# Altium PCB etna-main-pcb.PcbDoc (continued)
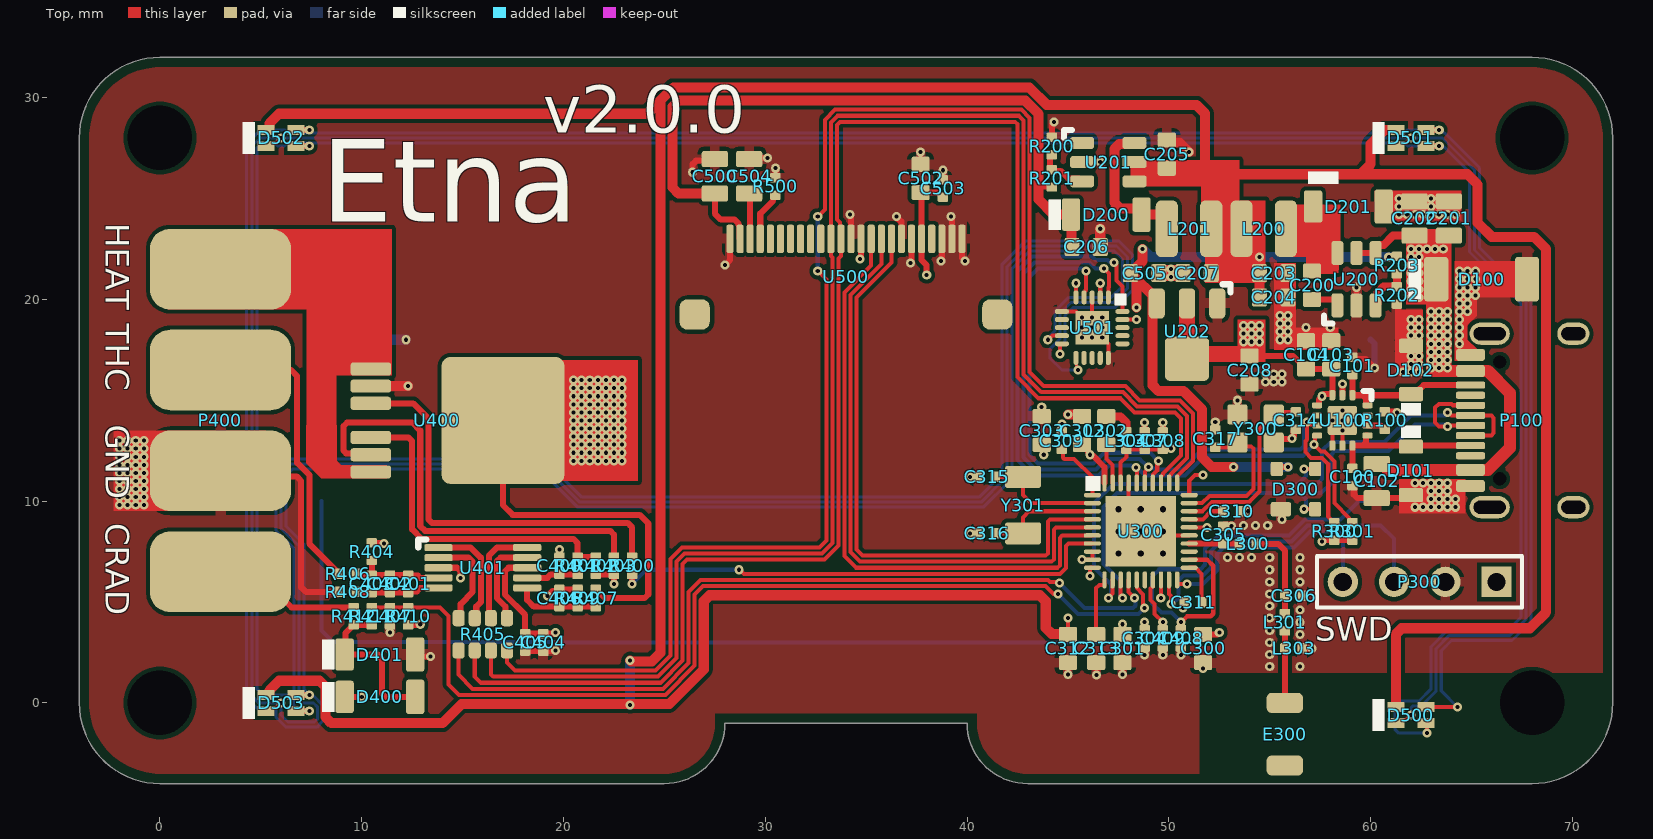
[diagram p0: Top view]
## Footprints (in the part's own frame and the unit in brackets; to place one, negate y for a bottom-side part, rotate by r counter-clockwise, add the part's x,y. Pads: shape width x height; smd on the part's side, far side on the other; paste and mask are expansions set on the pad) (continued)
  body extent -1.25,-1 1.25,1, height 0.6
XTAL_3215 [mm]
  rrect25% 1.1x1.8 smd paste+0 mask+0: 1(-1.4,0) 2(1.4,0)
  body extent -1.61,-0.76 1.61,0.76, height 0.91

## Part data
C100 C101 C102 C103 C104 C200 C201 C202 C203 C204 C205 C206 C207 C208 C300 C301 C302 C303 C304 C305 C306 C307 C308 C309 C310 C311 C312 C313 C314 C315 C316 C317 C400 C401 C402 C403 C404 C405 C406 C407 C408 C409 C500 C502 C503 C504 C505: library part CAPACITOR_NONPOL
  C100 C101: Specification="50V C0G 20%"
  C102: Specification="35V X7R 10%"
  C103 C104 C203 C204 C207 C208 C300 C301 C302 C303 C304 C307 C308 C309 C312 C313 C400 C401 C402 C403 C404 C405 C406 C407 C503: Specification="10V X7R 10%"
  C200 C201 C202: Specification="50V X7R 10%"
  C205 C206 C408 C409 C500 C504: Specification="25V X7R 10%"
  C305 C306: Specification="10V C0G 1%"
  C310 C311: Specification="10V C0G 5%"
  C314 C315 C316 C317: Specification="10V C0G 2%"
  C502 C505: Specification="10V  X7R 10%"
D300: "Ultra low capacitance double rail-to-rail ESD protection diode"
R100 R200 R201 R202 R203 R300 R301 R500: library part RESISTOR, Specification="50V 1% 0.25W"
SW400 SW401: library part SWITCH
U200: library part LMR14006, "LMR14006"
U300: "RF System on a Chip - SoC nRF52833-QIAA QFN 40L 5x5"
U501: library part AW9106
D100: Specification="UNI-DIR 26V 400W"
D101 D102: Specification="5.1V 200MW 1005"
D200 D201 D400 D401: Specification="40V 1.0A 450mV"
D500 D501 D502 D503: Specification=RGB
E300: Specification="-2.1dBi CHIP"
L200: Specification="1A WW 1%"
L201: Specification="2A WW 1%"
L300: Specification="350mA WW 2%"
L301 L303: Specification="350mA WW 1%"
L302: Specification="350mA WW"
L304: Specification="350mA WW 5%"
R400 R401 R402 R403 R404 R405 R406 R407 R408 R409 R410 R411 R412: Specification="50V 1% 0.25W"
Y300: Specification="32MHz 20PPM"
Y301: Specification="32.768kHz 20PPM"

## Free pads (board coordinates)
  rect 0x0 hole 3.2 unplated paste+0 mask+0: ""(0,0) ""(0,28) ""(68,0) ""(68,28)

## Via types
v1: diameter 0.45, hole 0.2, Top to Bottom, tented both sides, 404 vias
v2: diameter 0.61, hole 0.305, Top to Bottom, tented both sides, 9 vias

## Nets (pads, with @x,y where several pads share a name; then routed paths per layer and width w, separated by ;. In a path a pad name is that pad's centre, name@x,y a point inside that pad or via, vN(x,y) a via of type N, cw(c..) or ccw(c..) an arc to the next point about the centre after c; other vN are vias at no path point)
+3V3: C103.1 C104.1 C208.1 C300.1 C301.1 C302.1 C303.1 C304.1 C404.1 C405.1 C502.1 C503.1 D400.2 P300.1 R100.1 R300.1 R301.1 R404.2 R410.1 U100.3 U100.4 U202.2 U300.8 U300.9 U300.18 U300.30 U300.40 U401.8 U500.5 | length 35.2
  Top w0.2: v1(45.7,7.1) U300.9 U300.8 ; v1(49.6,5.2) 49.6,5.769 49.611,5.78 U300.18 ; U300.30 51.011,11.011 51.3,11.3 v1(51.7,11.3)
  Top w0.3: D400.2 v1(10,0.3) ; R404.2 10.515,7.915 11.085,7.915 v1(11.1,7.9) ; R410.1 12.87,3.87 v1(12.9,3.9) ; U401.8 17.276,6.7 17.1,6.524 17.1,5.366 18.1,4.366 C405.1 C404.1 19.53,3.43 v1(19.6,3.5) ; v1(38,21.2) 38,21.7 37.75,21.95 U500.5 37.75,25.25 C502.1 38.545,25.3 38.775,25.07 C503.1 ; C303.1 43.8,12.7 v1(43.8,12.3) ; C302.1 45.775,12.8 46,12.575 46,12.441 46.1,12.341 v1(46.1,12.3) 46.129,12.271 46.229,12.271 46.811,11.689 U300.40 ; C301.1 v1(47.7,3.9) ; C304.1 v1(48.8,4) ; U202.2@50.9,17.05 51.05,17.2 C208.1 56.15,17.2 56.5,16.85 56.5,16.775 56.725,16.55 C104.1 C103.1 58.1,16.5 U100.3@58.1,15.3 ; C300.1@51.511,3.589 C300.1 52.4,3.4 v1(52.5,3.5) ; 52.4,17.3 53.4,17.3 ; U100.4 57.446,14.75 57.446,15.046 v1(57.6,15.2) 57.7,15.3 U100.3@58.1,15.3 ; v1(57.6,8) 57.67,8.07 R300.1 R301.1 ; U100.3 U100.3@58.1,15.3 ; R100.1 61.27,14.43 v1(61.3,14.4)
  other v1: 53.7,17.9 54.1,17.9 54.5,17.9 53.7,18.3 54.1,18.3 54.5,18.3 53.7,18.7 54.1,18.7 54.5,18.7
+5V0: C203.1 C204.1 C205.1 C207.1 C312.1 C505.1 D300.4 D500.4 D501.4 D502.4 D503.4 L200.2 L201.1 R203.1 U201.4 U201.5 U202.3 U300.10 U501.2 U501.5 U501.19 | length 225.8
  Top w0.2: C312.1 v1(45,4.2) ; U501.5 v1(45.4,20.8) ; v1(46.1,6.3) 46.1,6.691 46.109,6.7 U300.10 ; U501.2 v1(46.6,20.8) ; U501.19 v1(48.4,19) ; v1(60.9,22.1) 61.27,22.1 R203.1
  Top w0.3: D300.4 55.446,11.696 55.896,11.696 v1(55.9,11.7)
  Top w0.5: D503.4 5.425,0.4 5.425,0.625 5.9,1.1 7.907,1.1 8.2,0.807 8.2,-0.707 8.493,-1 14,-1 14.95,-0.05 25.242,-0.05 26.95,1.658 26.95,5.045 27.243,5.338 43.607,5.338 43.9,5.045 43.9,3.717 44.193,3.424 44.976,3.424 C312.1 ; D502.4 5.425,28.4 5.425,28.725 5.9,29.2 24.144,29.2 25.444,30.5 43.085,30.5 43.942,29.642 51.358,29.642 51.8,29.2 51.8,26.2 ; v1(23.3,2.1) 23.35,2.05 24.372,2.05 24.8,2.478 24.8,29.856 ; C505.1@48.225,21.1 48.3,21.1 49.2,20.2 49.2,15.743 49.493,15.45 50.735,15.45 51.65,14.535 51.65,12.163 52.113,11.7 v1(53.2,11.7) ; C505.1@48.225,21.175 C505.1 48.1,21.375 48.225,21.5 48.3,21.5 48.7,21.9 v1(48.7,22.5) ; v1(48.4,19.6) 48.4,20.807 ; 52.9,26.2 59.5,26.2 ; C204.1 C203.1 ; D500.4 61.25,3.407 61.543,3.7 67.9,3.7 68.7,4.5 68.7,22.5 68.1,23.1 66,23.1 65.3,23.8 65.3,25.7 64.8,26.2 59.5,26.2 ; D501.4 60.7,28.4 60,27.7 60,26.7 59.5,26.2
  Power w0.2: v1(45,4.2) 45,6 45.3,6.3 v1(46.1,6.3)
  Power w0.5: v1(45.4,20.8) v1(46.6,20.8) 48.107,20.8 48.4,20.507 v1(48.4,19.6) v1(48.4,19)
  Bottom w0.5: v1(23.3,-0.1) v1(23.3,2.1) ; v1(48.7,22.5) 49.1,22.1 v1(54.5,22.1) v1(60.9,22.1) ; v1(53.2,11.7) v1(55.9,11.7)
+12V: C206.1 C500.1 D200.2 R201.2 U500.23 | length 36.4
  Top w0.3: C500.1 27.5,24.25 27.8,23.95 28.477,23.95 28.675,23.752 28.675,23.687 28.725,23.637 28.725,23.025 U500.23 ; 43.55,25.6 44.17,25.6 R201.2
  Top w0.5: C500.1 25.693,25.25 25.4,25.543 25.4,29.557 25.693,29.85 42.886,29.85 43.55,29.186 43.55,25.6 43.55,24.95 44.3,24.2 44.95,24.2 D200.2 45.175,24.175 45.175,22.625 C206.1
ADS1118_CS: R405.1 U300.14 | length 41.4
  Top w0.2: R405.1 14.8,1.4 15.5,0.7 24.931,0.7 26.2,1.969 26.2,5.506 26.782,6.088 44.012,6.088 44.1,6 44.343,6 44.35,5.993 44.527,5.993 v1(44.575,5.945) ; U300.14 48.011,5.49 v1(48.3,5.2)
  Bottom w0.2: v1(44.575,5.945) 45.82,4.7 48.223,4.7 48.34,4.817 48.34,5.16 v1(48.3,5.2)
ADS1118_CS_R: R405.8 U401.2 | length 4.9
  Top w0.3: U401.2 15.3,7.2 15.5,7 15.5,5.5 14.9,4.9 14.9,4.3 R405.8
AW9_INT: U300.34 U501.4 | length 21.3
  Top w0.2: U501.4 45.8,20.339 45.875,20.414 45.875,20.46 45.9,20.485 v1(45.9,21.4) ; U300.34 49.215,10.904 49.215,11.314 49.425,11.524 49.425,11.878 49.479,11.932 v1(49.479,12)
  Bottom w0.2: v1(45.9,21.4) 45.832,21.4 45.707,21.525 43.517,21.525 43.1,21.108 43.1,12.3 43.525,11.875 46.276,11.875 46.801,12.4 49.058,12.4 49.458,12 v1(49.479,12)
BUT_0: C408.1 SW400.1 U300.22 | length 21.8
  Top w0.2: C408.1 50.648,3.678 50.648,4.048 50.895,4.295
  Top w0.21: 50.895,4.295 52.077,4.295 52.2,4.418 52.2,6.8 51.9,7.1 U300.22
  Bottom w0.2: v1(50.6,4) 50.125,4.475 49.626,4.475 49.175,4.926 49.175,6.275 49.525,6.625 51.576,6.625 51.8,6.849 51.8,7.649 52.451,8.3 53.2,8.3 55.7,8.3 55.951,8.3 56.751,9.1 58.519,9.1 59.419,10 SW400.1
BUT_1: C409.1 SW401.1 U300.17 | length 51.8
  Top w0.2: U300.17 49.211,5.78 49.1,5.669 49.1,5.099 49.299,4.899 49.299,4.401 v1(49.7,4)
  Top w0.3: C409.1 v1(49.7,4)
  Bottom w0.2: SW401.1 8,3.6 8.575,3.025 19.776,3.025 19.801,3 49.183,3 49.7,3.517 v1(49.7,4)
CART_DETECT_IO: C407.1 R410.2 R411.2 U300.15 | length 48.6
  Top w0.2: R411.2 C407.1 R410.2 13.87,4.73 14.3,4.3 14.3,0.917 14.817,0.4 15.9,0.4 25.056,0.4 26.5,1.844 26.5,5.381 26.906,5.788 43.888,5.788 44.276,5.4 v1(44.5,5.4) ; U300.15 48.415,6.097 48.415,5.686 48.725,5.376 48.725,4.843 48.8,4.768 v1(48.8,4.7)
  Bottom w0.2: v1(44.5,5.4) 45.5,4.4 48.5,4.4 v1(48.8,4.7)
CART_HEAT: P400.1 U400.1 U400.7
CART_THC: P400.2 R406.1 | length 14.6
  Top w0.3: P400.2 6.5,16.5 6.8,16.2 6.8,11.9 7.4,11.3 7.4,7.895 8.785,6.51 8.87,6.425 R406.1
CRADLE_DETECT: P400.4 R412.1 | length 7.3
  Top w0.3: P400.4 4.756,6.5 6.526,4.73 R412.1
DBG_SWCLK: P300.4 U300.20 | length 12.3
  Top w0.2: U300.20 50.411,5.909 50.42,5.9 v1(50.9,5.9)
  Bottom w0.2: v1(50.9,5.9) 51.7,5.9 52.4,6.6 52.4,7.4 52.7,7.7 56.2,7.7 57,8.5 58.4,8.5 58.62,8.28 P300.4
DBG_SWDIO: P300.3 U300.19 | length 17.3
  Top w0.2: U300.19 50.011,5.78 50,5.769 50,5.401 50.1,5.301 v1(50.1,4.9)
  Bottom w0.2: v1(50.1,4.9) 50.168,4.9 50.475,5.207 50.475,6.076 50.724,6.325 51.701,6.325 52.1,6.724 52.1,7.524 52.576,8 56.076,8 56.876,8.8 60.5,8.8 61.16,8.14 P300.3
DRV_CURRENT: C400.1 R401.2 U401.7 | length 2.6
  Top w0.3: U401.7 19.2,6.2 19.37,6.37 C400.1 R401.2
DRV_PWM: R400.2 U300.7 | length 24.9
  Top w0.2: v1(28.7,6.6) 28.742,6.6 28.942,6.4 44.607,6.4 44.9,6.693 44.9,7.783 45.017,7.9 U300.7
  Top w0.3: v1(23.4,5.9) R400.2
  Bottom w0.2: v1(23.4,5.9) 24.1,6.6 v1(28.7,6.6)
GND: C100.2 C101.2 C102.2 C103.2 C104.2 C201.2 C202.2 C203.2 C204.2 C205.2 C206.2 C207.2 C208.2 C300.2 C301.2 C302.2 C303.2 C304.2 C305.2 C306.2 C307.2 C308.2 C309.2 C310.2 C311.2 C312.2 C313.2 C314.1 C315.1 C316.1 C317.1 C400.2 C404.2 C405.2 C406.2 C407.2 C408.2 C409.2 C500.2 C502.2 C503.2 C504.2 C505.2 D100.1 D101.1 D102.1 D201.1 D300.1 D401.1 L303.2 P100.A1 P100.A12 P300.2 P400.3 R200.2 R202.2 R402.1 R403.1 R408.1 R409.1 R500.2 SW400.2 SW401.2 U100.8 U100.9 U100.15 U200.2 U201.2 U202.1 U300.25 U300.37 U300.41 U400.2 U401.3 U500.1 U500.2 U500.3 U500.6 U500.7 U500.11 U500.12 U500.24 U501.3 U501.6 U501.15 U501.21 Y300.2 Y300.4 | length 76.2
  Top w0.2: U501.6 45.4,19.4 v1(45.7,19.1) v1(46.2,18.6) U501.3 v1(46.2,19.1) ; v1(46.7,18.6) v1(46.7,18.1) 47,17.8 U501.15 ; U300.37 48.011,9.1 v2(48.611,8.5) ; v2(49.711,8.5) 49.911,8.3 U300.25 ; U100.8 58.1,13.5 v1(58.6,14) ; U100.9 v1(58.6,13.5)
  Top w0.3: P400.3 3.274,11.226 6.774,11.226 7,11 7,5.727 7.227,5.5 R408.1 R408.1@8.819,5.551 ; v1(11.4,3.5) C407.2 ; D401.1 12.75,2.3 v1(13.4,2.3) ; U401.3 14.724,6.7 14.9,6.524 v1(14.9,6.2) ; C405.2 C404.2 19.57,2.57 v1(19.6,2.6) ; v1(19.2,5.3) 19.445,5.545 19.715,5.545 C406.2 R409.1 ; C400.2 v1(19.8,7.6) ; R402.1 R403.1 v1(22.5,5.9) ; v1(26.4,26.3) 26.4,26.7 26.576,26.876 C500.2@27.426,26.876 ; v1(28,21.7) 28.25,21.95 U500.24 ; C504.2 29.25,27 v1(30.1,27) ; R500.2 v1(30.5,26.5) ; v1(34.2,24.2) 34.2,24.1 34.25,24.05 U500.12 ; v1(34.7,22) 34.75,22.05 U500.11 ; v1(36.5,24.1) 36.745,23.855 36.745,23.005 U500.7 ; v1(37.2,21.8) 37.25,21.85 U500.6 ; C502.2@37.7,26.83 v1(37.7,27.3) ; v1(38.7,21.9) 38.7,21.941 38.75,21.991 U500.3@38.75,23.07 ; C503.2 v1(38.8,26.4) ; v1(39.2,24.1) 39.2,24 39.25,23.95 U500.2 ; U500.1 39.75,22.05 v1(39.9,21.9) ; v1(40.145,8.4) C316.1@40.615,8.4 ; v1(40.145,11.2) C315.1@40.615,11.2 ; C303.2 v1(43.7,14.67) ; R200.2 44.2,28.7 v1(44.3,28.8) ; C309.2@44.7,13.36 v1(44.7,13.83) ; v1(45,1.4) C312.2@45,2.07 ; U201.2 v1(46.6,26.8) ; v1(46.406,1.381) C313.2@46.406,2.051 ; v1(47.7,1.4) C301.2@47.7,2.07 ; v1(48.8,2.37) C304.2@48.8,2.84 ; C307.2 v1(48.8,13.9) ; v1(49.7,2.37) C409.2@49.7,2.84 ; C308.2 v1(49.7,13.9) ; v1(50.6,2.37) C408.2@50.6,2.84 ; v1(50.7,4.7) 50.7,4.93 C311.2 ; v1(51.7,1.7) C300.2@51.7,2.07 ; C317.1@52.3,13.46 v1(52.3,13.93) ; C305.2@52.63,8.76 v1(53.1,8.76) ; Y300.2 v1(53.4,15) ; C310.2@53.46,9.5 v1(53.93,9.5) ; Y300.4 55.371,13.071 56.071,13.071 v1(56.1,13.1) 56.1,13.141 56.19,13.231 56.19,13.485 56.275,13.57 C314.1 ; C306.2@56.6,5.31 C306.2 ; L303.2 v1(57.1,2.7) ; C104.2 v1(56.8,18.6) ; v1(58,18.6) 58.001,17.999 C103.2 ; C100.2 59.163,10.707 59.163,10.337 59.35,10.15 C102.2 61.85,10.15 D101.1 ; C101.2 59.185,17.045 59.755,17.045 v1(60.2,16.6) ; U200.2 v1(59.3,20.6) ; R202.2 61.35,19.72 61.35,19.35 61.4,19.3 61.6,19.3
  Top w0.4: D300.1 55.6,9.55 v1(55.6,9.1)
  Top w0.5: U400.2 v1(12.3,15.7) ; v1(45,14.3) 45.6,14.3 C302.2 ; C206.2 v1(46.6,23.5) ; C205.2 50.025,27.775 50.525,27.775 v1(51,27.3)
  Bottom w0.3: SW400.2 60.2,17.8 v1(60.2,16.6)
  Bottom w0.5: SW401.2 v1(12.2,18)
  other v1: 55,1.8 56.5,1.8 55,2.4 55,3 56.5,3.4 55,3.6 56.5,4 55,4.2 56.5,4.6 55,4.8 55,5.4 55,6 56.5,6 55,6.6 56.5,6.6 52.9,7.2 53.5,7.2 54.1,7.2 55,7.2 56.5,7.2 53.7,8.8 54.3,8.8 54.9,8.8 62.2,9.7 62.6,9.7 63,9.7 63.4,9.7 63.8,9.7 64.2,9.7 -2,9.8 -1.6,9.8 -1.2,9.8 -0.8,9.8 63,10.1 63.4,10.1 63.8,10.1 64.2,10.1 -2,10.2 -1.6,10.2 -1.2,10.2 -0.8,10.2 63,10.5 63.4,10.5 63.8,10.5 -2,10.6 -1.6,10.6 -1.2,10.6 -0.8,10.6 62.2,10.9 62.6,10.9 63,10.9 63.4,10.9 63.8,10.9 -2,11 -1.6,11 -1.2,11 -0.8,11 -2,11.4 -1.6,11.4 -1.2,11.4 -0.8,11.4 -2,11.8 -1.6,11.8 -1.2,11.8 -0.8,11.8 -2,12.2 -1.6,12.2 -1.2,12.2 -0.8,12.2 -2,12.6 -1.6,12.6 -1.2,12.6 -0.8,12.6 -2,13 -1.6,13 -1.2,13 -0.8,13 58.1,14 59.1,14 58.6,14.5 54.8,15.9 55.2,15.9 55.6,15.9 54.8,16.3 55.2,16.3 55.6,16.3 61.6,16.4 62,16.4 62.4,16.4 62,16.8 62.4,16.8 62,17.2 62.4,17.2 64.4,17.8 55.5,18 55.9,18 45.7,18.1 46.2,18.1 62,18.2 62.4,18.2 64.4,18.2 55.5,18.4 55.9,18.4 45.7,18.6 62,18.6 62.4,18.6 64.4,18.6 55.5,18.8 55.9,18.8 62,19 62.4,19 64.4,19 46.7,19.1 55.5,19.2 55.9,19.2 64.4,19.4 64.8,19.4 64.4,19.8 64.8,19.8 64.4,20.2 64.8,20.2 65.2,20.2 64.4,20.6 64.8,20.6 65.2,20.6 64.4,21 64.8,21 65.2,21 50.1,21.1 64.4,21.4 64.8,21.4 65.2,21.4 50.1,21.5 61.4,24.2 61.8,24.2 62.2,24.2 62.6,24.2 63,24.2 63.4,24.2 63.8,24.2 64.2,24.2 61.4,24.6 63,24.6 61.4,25 63,25
  other v2: 47.511,7.4 48.611,7.4 49.711,7.4 47.511,8.5 47.511,9.6 48.611,9.6 49.711,9.6
I2C0_SCL: R300.2 U100.6 U300.35 U501.1 | length 38.6
  Top w0.2: v1(46.775,21.525) 46.9,21.4 46.908,21.4 47.025,21.283 47.025,20.624 47,20.599 U501.1 ; U300.35 48.811,11.458 49,11.647 v1(49,11.7) ; U100.6 57.31,13.79 57.01,13.79 56.9,13.9 56.864,13.9 v1(56.842,13.922) 56.842,13.044 56.775,12.976 56.775,12.425 57.05,12.15 57.589,12.15 57.9,11.839 57.9,9.23 58.04,9.09 58.04,9.065 58.175,8.93 R300.2
  Bottom w0.2: v1(46.775,21.525) 46.376,21.525 46.076,21.825 43.349,21.825 42.8,21.276 42.8,12.176 43.401,11.575 46.4,11.575 46.925,12.1 48.558,12.1 48.9,11.758 v1@48.9,11.7 ; v1(49,11.7) 49.048,11.652 49.226,11.652 49.303,11.575 50.675,11.575 51.65,12.55 56.526,12.55 56.7,12.724 56.7,13.712 56.842,13.854 v1(56.842,13.922)
I2C0_SDA: R301.2 U100.7 U300.36 U501.20 | length 39.3
  Top w0.2: v1(47.275,21.825) 47.4,21.7 47.4,20.947 47.7,20.647 U501.20 ; v1(48.382,11.675) 48.411,11.646 U300.36 ; U100.7 57.298,13.25 57.248,13.2 57.248,12.848 v1(57.2,12.8) 57.55,12.45 57.713,12.45 58.2,11.963 58.2,9.9 58.94,9.16 58.94,9.065 59.075,8.93 R301.2
  Bottom w0.2: v1(47.275,21.825) 47.227,21.873 47.028,21.873 46.951,21.95 46.375,21.95 46.2,22.125 43.225,22.125 42.5,21.4 42.5,12.051 43.276,11.275 46.525,11.275 47.025,11.775 48.125,11.775 48.2,11.7 48.357,11.7 v1(48.382,11.675) 48.424,11.675 48.824,11.275 50.799,11.275 51.774,12.25 56.65,12.25 v1(57.2,12.8)
NetC200_1: C200.1 D201.2 L200.1 U200.6 | length 3.9
  Top w0.2: L200.1 56.05,23.5 D201.2
  Top w0.3: C200.1 58.174,21.4 58.288,21.514 58.288,22.238 U200.6
NetC200_2: C200.2 U200.1 | length 1.5
  Top w0.3: C200.2 58.2,20 58.35,19.85 U200.1
NetC305_1: C305.1 L300.1 U300.24 | length 2.5
  Top w0.3: U300.24 C305.1 53.464,7.9 L300.1
NetC306_1: C306.1 L300.2 L301.1 | length 4.7
  Top w0.3: L300.2 55.423,7.887 55.75,7.56 C306.1 L301.1
NetC401_1: C401.1 C402.1 C403.1 R404.1 R406.2 U401.4 | length 4.9
  Top w0.3: R406.2@9.703,6.427 R406.2 9.8,6.33 C403.1 ; R404.1 C403.1 ; U401.4 12.9,6.2 12.783,6.317 12.313,6.317 C401.1 C402.1 C403.1
NetC401_2: C401.2 C402.2 C403.2 R408.2 U401.5 | length 4.2
  Top w0.3: R408.2 9.76,5.47 C403.2 C402.2 C401.2 12.363,5.533 12.733,5.533 12.9,5.7 U401.5
NetC504_1: C504.1 U500.22 | length 2.3
  Top w0.3: C504.1 29.25,25.2 U500.22
NetD200_1: D200.1 L201.2 U201.6 | length 7.8
  Top w0.5: U201.6 48.6,27.75 48.55,27.7 47.543,27.7 47.3,27.457 47.3,24.793 47.593,24.5 48.45,24.5 48.65,24.3 D200.1 49.602,24.2 49.9,23.902 L201.2
NetD400_1: D400.1 D401.2 R411.1 R412.2 | length 8
  Top w0.3: R411.1 R412.2 9.575,3.87 9.49,3.785 9.49,3.76 9.204,3.474 9.204,2.454 D401.2 10.8,2.4 11,2.2 11,0.476 11.176,0.3 D400.1
NetE300_1: E300.1 L301.2 L303.1 | length 3.6
  Top w0.3: E300.1 L303.1 L301.2
NetL302_1: L302.1 L304.2 | length 1.6
  Top w0.4: L302.1 47.6,14.2 47.9,13.9 L304.2
NetR100_2: R100.2 U100.12 U100.13 | length 1.4
  Top w0.3: U100.13 U100.12 60.495,13.75 60.675,13.57 R100.2
NetR200_1: R200.1 R201.1 U201.3 | length 2.5
  Top w0.3: R200.1@44.1,27.17 44.1,26.43 R201.1@44.125,26.43 ; R201.1 44.263,26.367 44.633,26.367 45.001,25.999 45.551,25.999 U201.3
NetR202_1: R202.1 R203.2 U200.3 | length 2.4
  Top w0.4: U200.3 60.35,19.8 60.35,20.35 60.63,20.63 R202.1 R203.2
NetR400_1: R400.1 U400.3 | length 19.9
  Top w0.3: U400.3 12.55,14.85 13.3,14.1 13.3,9.101 13.476,8.925 23.175,8.925 23.299,8.801 23.4,8.7 R400.1
NetR401_1: R401.1 R402.2 U400.5 | length 16.6
  Top w0.3: U400.5 12.324,13.15 12.5,12.974 12.5,8.6 12.975,8.125 20.499,8.125 20.7,7.924 R401.1 R402.2
NetR403_2: R403.2 U400.6 | length 22.3
  Top w0.3: U400.6 10.382,12.368 9.232,12.368 9.1,12.5 9.1,13.724 9.276,13.9 12.5,13.9 12.9,13.5 12.9,8.766 13.141,8.525 22.324,8.525 22.5,8.349 R403.2
NetR500_1: R500.1 U500.21 | length 2.5
  Top w0.3: U500.21 29.75,24.25 30.39,24.89 30.39,25.085 30.475,25.17 R500.1
NRF_DCC: L302.2 U300.39 | length 2
  Top w0.2: L302.2 46.9,12.1 47.211,11.789 U300.39
NRF_DEC1: C309.1 U300.1 | length 3.2
  Top w0.2: C309.1 44.765,12.505 44.765,12.152 44.817,12.1 45.3,12.1 46.211,11.189 U300.1
NRF_DEC3: C310.1 U300.27 | length 1.8
  Top w0.2: U300.27 51.7,9.1 52.1,9.5 C310.1
NRF_DEC4_6: C307.1 C308.1 L304.1 U300.26 U300.38 | length 10.1
  Top w0.2: U300.38 47.611,11.911 47.9,12.2 L304.1 C307.1 C308.1 49.73,12.6 v1(50.1,12.6) ; U300.26 v1(51.9,8.7)
  Power w0.2: v1(50.1,12.6) 50.5,12.2 50.5,9.1 50.9,8.7 v1(51.9,8.7)
NRF_DEC5: C311.1 U300.21 | length 2.1
  Top w0.2: U300.21 51.32,6.7 51.63,6.391 C311.1
NRF_DECUSB: C313.1 U300.11 | length 3
  Top w0.2: C313.1 46.4,5.69 46.563,5.853 46.802,5.853 46.811,5.862 U300.11
NRF_XTAL_HF_N: C317.2 U300.29 Y300.3 | length 7.5
  Top w0.2: U300.29 51.652,9.9 52.011,10.26 53.86,10.26 54.2,10.6 54.2,12.6 54.083,12.717 53.583,12.717 53.491,12.809 53.353,12.67 C317.2
NRF_XTAL_HF_P: C314.2 U300.28 Y300.1 | length 9.2
  Top w0.2: U300.28 51.676,9.5 52.136,9.96 53.984,9.96 54.5,10.476 54.5,13.6 Y300.1 55.33,14.43 C314.2
NRF_XTAL_LF_N: C316.2 U300.3 Y301.2 | length 5.7
  Top w0.2: C316.2 Y301.2 42.775,9.2 43.075,9.5 U300.3
NRF_XTAL_LF_P: C315.2 U300.2 Y301.1 | length 5.9
  Top w0.2: C315.2 Y301.1 42.775,10.3 43.175,9.9 U300.2
OLED_CS: U300.4 U500.8 | length 29.6
  Top w0.2: U500.8 36.25,21.826 34.525,20.101 34.525,7.599 34.812,7.312 37.588,7.312 37.6,7.3 43.883,7.3 44,7.417 44,8.983 44.117,9.1 U300.4
OLED_DC: U300.6 U500.10 | length 30.3
  Top w0.2: U500.10 35.25,21.674 33.925,20.349 33.925,7.275 34.5,6.7 44.483,6.7 44.6,6.817 44.6,8.183 44.717,8.3 U300.6
OLED_RST: U300.5 U500.9 | length 29.9
  Top w0.2: U500.9 35.75,21.75 34.225,20.225 34.225,7.475 34.7,7 44.183,7 44.3,7.117 44.3,8.583 44.417,8.7 U300.5
RGB_BLU: D500.3 D501.3 D502.3 D503.3 U501.11 | length 206.9
  Top w0.15: U501.11 45.419,17.081 45.419,16.662 45.5,16.581 v1(45.5,16.5)
  Top w0.2: D503.3 5.4,-0.25 5.75,-0.25 v1(6,0) ; D502.3 5.4,27.75 5.75,27.75 v1(6,28) ; D500.3 61.4,-0.85 61.75,-0.85 v1(62,-0.6) ; D501.3 61.4,27.75 61.75,27.75 v1(62,28)
  Bottom w0.15: v1(45.5,16.5) 44.7,16.5 44.1,17.1 44.1,17.534 44.6,18.034 44.6,19.3 45.15,19.85 47.25,19.85 47.95,20.55 47.95,22.104 47.404,22.65 43.008,22.65 41.975,21.617 41.975,11.221 41.8,11.046 40.704,9.95 20.804,9.95 18.903,11.851 6.493,11.851 6,11.358 6,8.654 6.35,8.304 6.9,7.754 6.9,0.088 6.988,0 7.612,0 7.8,-0.188 7.8,-0.812 7.662,-0.95 6.35,-0.95 6,-0.6 v1(6,0) 4.9,0 4.55,0.35 4.55,27.596 4.954,28 v1(6,28) v1(62,28) 63.3,28 63.566,28 65.15,26.416 65.15,22.45 67.7,19.9 67.7,4.146 66.904,3.35 63.904,3.35 63.25,2.696 63.25,0.596 62.504,-0.15 62.088,-0.15 62,-0.238 v1(62,-0.6)
RGB_GRN: D500.2 D501.2 D502.2 D503.2 U501.10 | length 204.4
  Top w0.15: D502.2 v1(7.4,27.6)
  Top w0.2: v1(44.6,17.3) 44.6,17.777 44.623,17.8 U501.10 ; D500.2 62.8,-1.05 v1(62.8,-1.5)
  Top w0.3: D503.2 v1(7.4,-0.4) ; D502.2 v1(7.4,27.6) ; D501.2 v1(63.4,27.6)
  Bottom w0.15: v1(7.4,-0.4) 6.8,-0.4 6.65,-0.25 6.65,0.55 ; v1(44.6,17.3) 44.6,17.681 44.85,17.931 44.85,19.196 45.254,19.6 47.354,19.6 48.2,20.446 48.2,22.207 48.004,22.404 47.507,22.9 42.904,22.9 41.725,21.721 41.725,11.325 40.6,10.2 20.907,10.2 19.006,12.101 6.389,12.101 5.75,11.462 5.75,8.55 6.65,7.65 6.65,0.55 ; v1(62.8,-1.5) 61.4,-1.5 61.2,-1.3 61.2,-0.1 61.4,0.1 62.4,0.1 63,0.7 63,2.8 63.8,3.6 66.8,3.6 67.45,4.25 67.45,19.796 64.9,22.346 64.9,26.3 63.657,27.543 63.457,27.543 v1(63.4,27.6) 61.834,27.6 61.684,27.75 6.316,27.75 6.166,27.6 5.834,27.6 5.684,27.75 5.057,27.75 4.8,27.493 4.8,0.7 5.1,0.4 6.5,0.4 6.65,0.55
RGB_RED: D500.1 D501.1 D502.1 D503.1 U501.9 | length 203.9
  Top w0.2: v1(44,18) 44.042,18 44.242,18.2 U501.9 ; D500.1 v1(64.3,-0.2)
  Top w0.3: D503.1 v1(7.4,0.4) ; D502.1 v1(7.4,28.4) ; D501.1 v1(63.4,28.4)
  Bottom w0.15: v1(7.4,0.4) 7.15,0.65 7.15,7.857 6.25,8.757 6.25,11.255 6.596,11.601 18.799,11.601 20.7,9.7 40.807,9.7 42.1,10.993 42.225,11.118 42.225,21.514 43.111,22.4 47.3,22.4 47.7,22 47.7,20.654 47.146,20.1 45.046,20.1 44.35,19.404 44.35,18.431 44,18.081 v1(44,18) ; 7.623,0.343 8.05,-0.084 8.05,-0.916 7.9,-1.066 7.9,-1.093 7.793,-1.2 6.246,-1.2 5.75,-0.704 5.75,-0.338 5.662,-0.25 4.796,-0.25 4.3,0.246 4.3,27.7 5,28.4 6.166,28.4 6.316,28.25 61.684,28.25 61.834,28.4 63.481,28.4 63.631,28.25 63.669,28.25 65.4,26.519 65.4,22.554 67.95,20.004 67.95,4.043 67.004,3.096 64.004,3.096 63.5,2.593 63.5,0.6 v1(64.3,-0.2)
SPI0_MISO: R405.4 U300.31 | length 79.1
  Top w0.2: R405.4 17.2,2 17.6,1.6 24.559,1.6 25.3,2.341 25.3,7.124 25.876,7.7 32.676,7.7 33.025,8.049 33.025,20.975 v1(32.6,21.4) ; v1(32.6,24.1) 32.95,24.45 32.95,28.899 33.451,29.4 42.7,29.4 43.1,29 43.1,16.4 43.8,15.7 47.849,15.7 48.549,15 50.549,15 51.2,14.349 51.2,14.1 51.2,11.999 50.411,11.21 U300.31
  Bottom w0.2: v1(32.6,21.4) v1(32.6,24.1)
SPI0_MISO_R: R405.5 U401.9 | length 4.6
  Top w0.3: R405.5 17.126,4.274 17.126,4.774 16.7,5.2 16.7,7.024 16.876,7.2 U401.9
SPI0_MOSI: R405.3 U300.32 U500.14 | length 79.6
  Top w0.2: R405.3 16.4,1.417 16.517,1.3 24.683,1.3 25.6,2.217 25.6,7 26,7.4 32.8,7.4 33.325,7.925 33.325,22.075 33.25,22.15 33.25,28.774 33.576,29.1 42.576,29.1 42.8,28.876 42.8,16.276 43.676,15.4 47.724,15.4 48.424,14.7 50.424,14.7 50.9,14.224 50.9,12.143 50.282,11.525 50.101,11.344 50.101,11.311 50.011,11.221 U300.32
SPI0_MOSI_R: R405.6 U401.10 | length 5.2
  Top w0.3: R405.6 16.3,4.3 16.3,7.3 16.7,7.7 U401.10
SPI0_SCK: R405.2 U300.33 U500.13 | length 80.2
  Top w0.2: R405.2 15.6,1.3 15.9,1 24.807,1 25.9,2.093 25.9,6.876 26.124,7.1 32.924,7.1 33.625,7.801 33.625,22.025 33.75,22.15 U500.13 33.701,23.049 33.701,23.799 33.55,23.95 33.55,28.65 33.7,28.8 42.383,28.8 42.5,28.683 42.5,16.151 43.551,15.1 47.6,15.1 48.3,14.4 50.3,14.4 50.6,14.1 50.6,12.267 49.701,11.368 49.701,11.311 49.611,11.221 U300.33
SPI0_SCK_R: R405.7 U401.1 | length 5.4
  Top w0.3: U401.1 15.4,7.7 15.9,7.2 15.9,5 15.674,4.774 15.674,4.274 R405.7
USB_DATA_N: D300.3 P100.A7 P100.B7 U300.12 | length 31.4
  Top w0.2: v1(47,5.2) 47,5.222 47.211,5.433 U300.12 ; v1(56.7,11.6) D300.3 ; 64.018,14.25 P100.A7 65.983,14.25 66.1,14.133 66.1,13.367 65.983,13.25 P100.B7
  Bottom w0.2: 47.123,5.391 47.123,5.878 46.3,6.701 46.3,9.9 47.254,10.854 56.4,10.854 ; v1@56.8,11.6 56.8,11.254 56.4,10.854 ; v1@63.7,14.254 62.012,14.254 60.691,12.933 58.033,12.933 57.6,12.5 57.6,11.1 57.354,10.854 56.4,10.854
  other v1: 63.8,14.4
USB_DATA_P: D300.2 P100.A6 P100.B6 U300.13 | length 31.1
  Top w0.2: U300.13 47.611,5.357 47.7,5.268 v1(47.7,5.2) ; v1(56.7,9.6) D300.2 ; P100.A6 63.918,13.75 63.868,13.7 v1(63.8,13.7) 63.4,13.7 63.2,13.9 63.2,14.633 63.392,14.825 64.008,14.825 64.08,14.753 64.947,14.753 P100.B6
  Bottom w0.2: 47.577,5.391 47.577,6.066 46.754,6.889 46.754,9.712 47.442,10.4 56.5,10.4 ; v1@56.8,9.6 56.8,10.1 56.5,10.4 ; v1(63.8,13.7) 63.7,13.8 62.2,13.8 60.879,12.479 58.221,12.479 58.054,12.312 58.054,10.912 57.542,10.4 56.5,10.4
USB_PD_CC1: C100.1 D101.2 P100.A5 U100.10 U100.11 | length 7.7
  Top w0.3: C100.1 U100.10 59.6,12.75 ; U100.11 59.779,13.25 59.779,12.929 59.6,12.75 ; P100.A5 62.05,12.75 D101.2 61.95,12.75 59.6,12.75
USB_PD_CC2: C101.1 D102.2 P100.B5 U100.1 U100.14 | length 7.8
  Top w0.3: C101.1 U100.1 59.6,15.25 ; U100.14 59.779,14.75 59.779,15.071 59.6,15.25 ; P100.B5 62.626,15.75 62.45,15.574 62.45,15.5 62.25,15.3 D102.2 61.95,15.25 59.6,15.25
VUSB_BUS: C102.1 C201.1 C202.1 D100.2 P100.A4 P100.A9 R407.1 U100.2 U200.4 U200.5 U400.4 | length 44.8
  Top w0.3: U400.4@19.1,11.9 U400.4 17,9.8 17.475,9.325 23.775,9.325 24.2,8.9 24.2,5.376 24.024,5.2 22.03,5.2 21.71,5.52 21.71,5.545 21.625,5.63 R407.1 ; U100.2 v1(58.6,15.8) ; U200.5 U200.4
  Top w0.4: U200.4 60.25,22.6 60.35,22.7 60.65,22.7 61.109,23.159 C202.1
  Top w0.6: C102.1 60.55,11.85 60.85,11.55 65.815,11.55 66.9,12.635 66.9,15.365 65.815,16.45 63.8,16.45 63.4,16.45 v1@63.05,16.45
  Power w0.3: v1(58.6,15.8) 63.2,15.8 63.4,16 v1(63.4,16.6)
  other v1: 20.5,12 20.9,12 21.3,12 21.7,12 22.1,12 22.5,12 22.9,12 20.5,12.4 20.9,12.4 21.3,12.4 21.7,12.4 22.1,12.4 22.5,12.4 22.9,12.4 20.5,12.8 20.9,12.8 21.3,12.8 21.7,12.8 22.1,12.8 22.5,12.8 22.9,12.8 20.5,13.2 20.9,13.2 21.3,13.2 21.7,13.2 22.1,13.2 22.5,13.2 22.9,13.2 20.5,13.6 20.9,13.6 21.3,13.6 21.7,13.6 22.1,13.6 22.5,13.6 22.9,13.6 20.5,14 20.9,14 21.3,14 21.7,14 22.1,14 22.5,14 22.9,14 20.5,14.4 20.9,14.4 21.3,14.4 21.7,14.4 22.1,14.4 22.5,14.4 22.9,14.4 20.5,14.8 20.9,14.8 21.3,14.8 21.7,14.8 22.1,14.8 22.5,14.8 22.9,14.8 20.5,15.2 20.9,15.2 21.3,15.2 21.7,15.2 22.1,15.2 22.5,15.2 22.9,15.2 20.5,15.6 20.9,15.6 21.3,15.6 21.7,15.6 22.1,15.6 22.5,15.6 22.9,15.6 20.5,16 20.9,16 21.3,16 21.7,16 22.1,16 22.5,16 22.9,16 63,16.6 63.8,16.6 63,17 63.4,17 63.8,17 63,17.4 63.4,17.4 63.8,17.4 63,17.8 63.4,17.8 63.8,17.8 63,18.2 63.4,18.2 63.8,18.2 63,18.6 63.4,18.6 63.8,18.6 63,19 63.4,19 63.8,19 63,19.4 63.4,19.4 63.8,19.4 62,20.1 62.4,20.1 62,20.5 62.4,20.5 62,20.9 62.4,20.9 62,21.3 62.4,21.3 62,21.7 62.4,21.7 62,22.1 62.4,22.1 62,22.5 62.4,22.5 62.8,22.5 63.2,22.5 63.6,22.5
VUSB_DIV_ADC: C406.1 R407.2 R409.2 U401.6 | length 4.1
  Top w0.3: U401.6 18.2,5.1 18.53,4.77 C406.1 R409.2 R407.2
pads on no net: E300.2 P100. P100.A8 P100.B8 U100.5 U201.1 U300.16 U300.23 U500. U500.4 U500.15 U500.16 U500.17 U500.18 U500.19 U500.20 U501.7 U501.8 U501.12 U501.13 U501.14 U501.16 U501.17 U501.18

## Polygon pours and split planes (outlines as drawn)
+3V3 on Power "+3V3_L03_P002" (solid, pour order 2): -3.5,0 ccw(c0,0) 0,-3.5 25,-3.5 ccw(c25,-1) 27.5,-1 27.5,-0.5 40.5,-0.5 40.5,-1 ccw(c43,-1) 43,-3.5 68,-3.5 ccw(c68,0) 71.5,0 71.5,14.7 61.6,14.7 61.6,23.5 24,23.5 24,10.5 18.5,10.5 18.5,31.5 0,31.5 ccw(c0,28) -3.5,28
VUSB_BUS on Power "VUSB_BUS_L03_P000" (solid, pour order 0): 19,11 19,31.5 68,31.5 cw(c68,28) 71.5,28 71.5,15 61.8,15 61.8,24 23.5,24 23.5,11
GND on Ground "GND_L02_P001" (solid, pour order 1): -3.5,0 ccw(c0,0) 0,-3.5 25,-3.5 ccw(c25,-1) 27.5,-1 27.5,-0.5 40.5,-0.5 40.5,-1 ccw(c43,-1) 43,-3.5 68,-3.5 ccw(c68,0) 71.5,0 71.5,28 ccw(c68,28) 68,31.5 0,31.5 ccw(c0,28) -3.5,28
GND on Top "GND_L01_P003" (solid, remove dead copper, pour order 3): -3.5,0 ccw(c0,0) 0,-3.5 25,-3.5 ccw(c25,-1) 27.5,-1 27.5,-0.5 40.5,-0.5 40.5,-1 ccw(c43,-1) 43,-3.5 68,-3.5 ccw(c68,0) 71.5,0 71.5,28 ccw(c68,28) 68,31.5 0,31.5 ccw(c0,28) -3.5,28

## Other copper
Top:
  rectangle net GND: 49.3,20.9 50.9,21.7
  rectangle net +5V0: 51.6,22.7 53.5,26.9
  rectangle net +5V0: 48.1,25.6 52.2,26.9
  rectangle net +3V3: 51.5,16.9 54.8,17.7
  rectangle net +3V3: 53.4,16.9 54.8,19
  rectangle net GND: 60.2,23.9 64.5,25.4
  rectangle net GND: 55.2,17.5 58.4,18.6
  rectangle net GND: 55.2,17.6 56.3,21.8
  rectangle net +5V0: 51.8,20.8 54.8,24.9
  rectangle net NetC200_1: 56.8,21.3 58.4,23.1
  rectangle net NetC200_1: 56,22.1 58.5,24.7
  rectangle net VUSB_BUS: 19.45,11 23.7,17
  rectangle net VUSB_BUS: 61.75,19.75 64,23.5
  rectangle net GND: 61.2,16.2 62.6,19.5
  rectangle net GND: 61.4,10.9 64,11.1
  rectangle net GND: 61.4,9.4 64.7,11.1
  rectangle net GND: 64.2,20.1 68.2,21.9
  rectangle net GND: 64.15,16.95 64.8,21.9
  rectangle net VUSB_BUS: 62.75,16.15 64,21.9
  rectangle net VUSB_BUS: 62.8,16.2 65.4,16.7
  rectangle net GND: -2.3,9.5 5.25,13.5
  rectangle net CART_HEAT: 7.25,16.225 11.5,23.5
  rectangle net CART_HEAT: 0.375,19.5 8.75,23.5
  rectangle net CART_HEAT: 7.25,13.25 8.75,23.5
  region net GND: 64.8,18.75 65.25,19.2 65.25,20.4 64.5,20.4 64.5,18.75
  region net GND: 64.8,18 65.25,17.55 65.25,17.25 64.5,17.25 64.5,18
  region net CART_HEAT: 7.25,13.75 7.25,11.875 8,11.125 11.25,11.125 11.25,11.775 8.975,11.775 8.75,12 8.75,13.75
Multi-Layer:
  pour cut-out: 51.5,-5 51.5,1.5 73,1.5 73,-5

## Silkscreen, mask and mechanical layers (free items; w line width, h text height)
Top Overlay:
  text "v2.0.0" at 19,27.5 h4
  text "HEAT" at -3.087,23.783 h2 r270
  text "Etna" at 8,22.5 h7
  text "THC" at -3.087,18.783 h2 r270
  text "GND" at -3.087,13.783 h2 r270
  text "CRAD" at -3.087,8.916 h2 r270
  text "SWD" at 57.25,2.688 h2
Bottom Overlay:
  text "Etna" at 43.447,26.007 h8
M3 (Board):
  the board outline again, w0.2
M5 (Misc):
  circle w0.2: c68,28 r3
  circle w0.2: c68,0 r3
  circle w0.2: c0,0 r3
  circle w0.2: c0,28 r3